# Altium PCB DIO_MCX.PCBDOC (part 1 of 3) (continued)
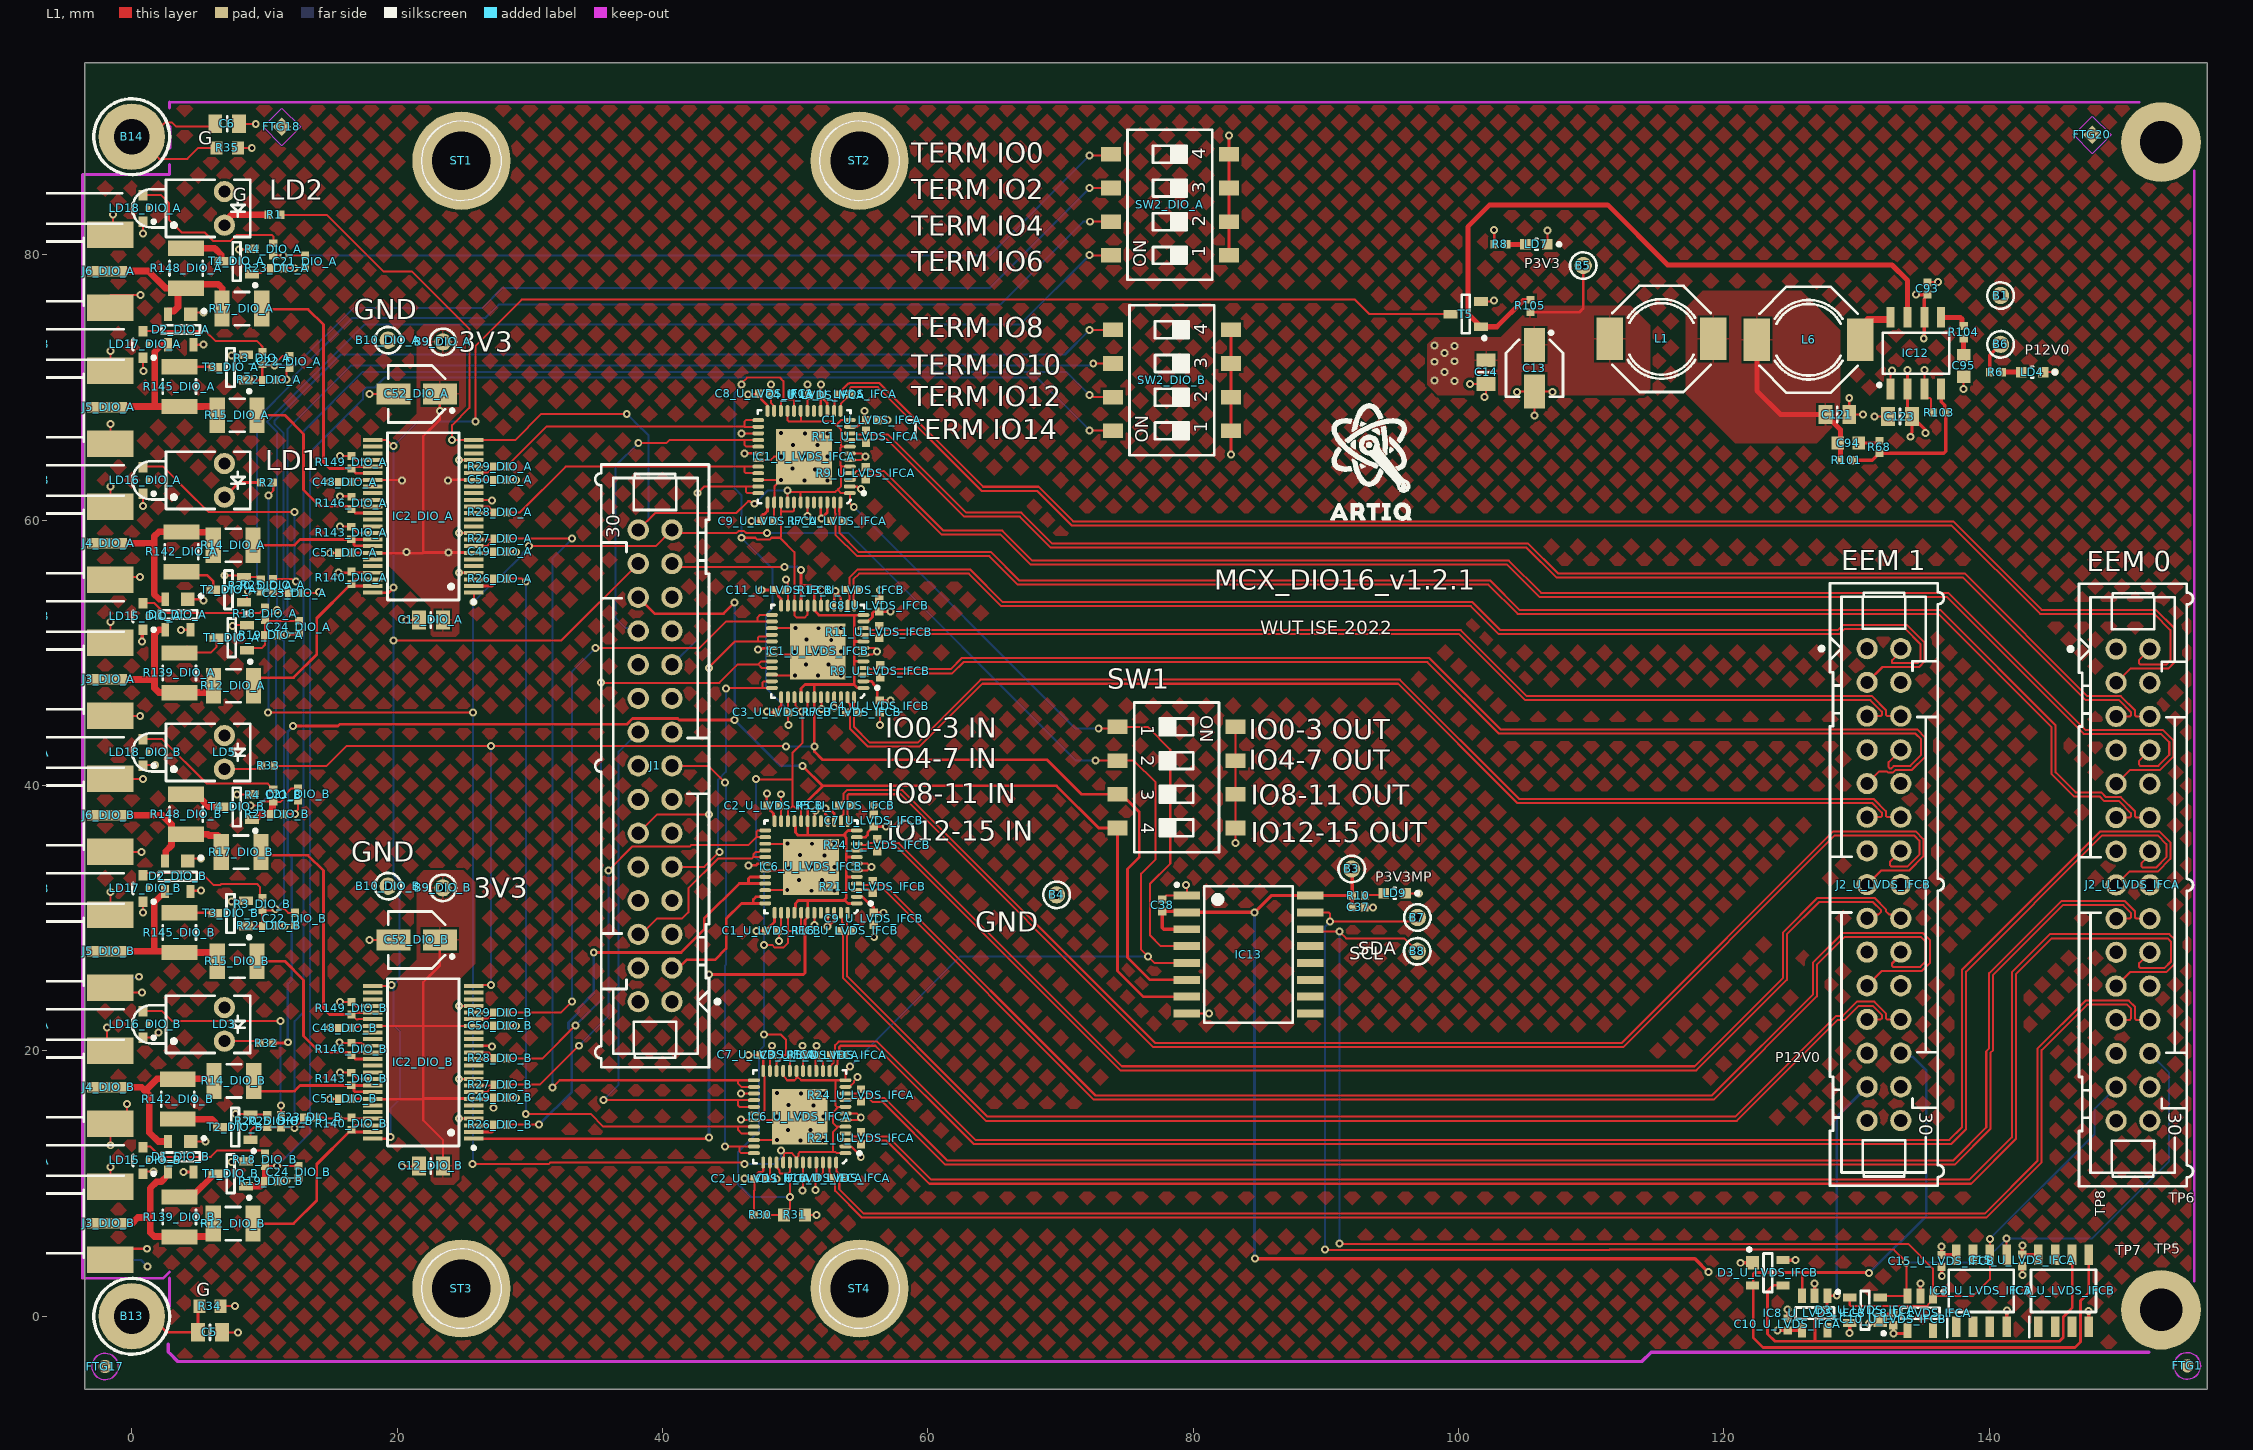
[diagram p0: L1 view]
## Design rules (kind name [scope] priority, off if disabled: settings) (continued)
MatchedLengths "DDS RESET" [InxSignalClass('DDS_RESET')] p12: tolerance=5 checknetsindiffpair=FALSE checkdiffpairvsdiffpair=TRUE checkxsignals=TRUE checkothers=TRUE
MatchedLengths "CLK IC13" [InxSignalClass('CLK IC13')] p13: tolerance=5 checknetsindiffpair=FALSE checkdiffpairvsdiffpair=TRUE checkxsignals=TRUE checkothers=TRUE
MinimumAnnularRing MinimumAnnularRing_Blind [(InNetClass('50_Ohms') OR InDifferentialPairClass('All Differential Pairs'))] p1: minimumring=0.1
MinimumAnnularRing [All] p2: minimumring=0.1
MinimumSolderMaskSliver [All] p1: minsoldermaskwidth=0.05
PlaneClearance [All] p1: clearance=0.25
PlaneConnect PlaneConnect_pad [InPadClass('All Pads')] p1: planeconnectstyle=Relief reliefexpansion=0.508 reliefentries=4 reliefconductorwidth=0.254 reliefairgap=0.254
PlaneConnect [All] p2: planeconnectstyle=Direct reliefexpansion=0.508 reliefentries=4 reliefconductorwidth=0.254 reliefairgap=0.254
PolygonConnect PolygonConnect_pad [IsPad] p1: connectstyle=Relief reliefconductorwidth=0.15 reliefentries=4 polygonreliefangle="90 Angle" airgapwidth=0.152
PolygonConnect [All] p2: connectstyle=Direct reliefconductorwidth=0.254 reliefentries=4 polygonreliefangle="90 Angle" airgapwidth=0.254
RoomDefinition DIO_B [InComponentClass('DIO_B')] p1: confinementstyle=ConfineIn formatcopy=TRUE lockcomponents=FALSE outline -11.606,3.306 37.79,3.306 37.79,45.262 -11.606,45.262
RoomDefinition DIO_A [InComponentClass('DIO_A')] p2: confinementstyle=ConfineIn formatcopy=TRUE lockcomponents=FALSE outline -11.606,44.456 37.79,44.456 37.79,86.412 -11.606,86.412
RoomDefinition U_DIO-MCX_Supply [InComponentClass('U_DIO-MCX_Supply')] p3: confinementstyle=ConfineIn formatcopy=TRUE lockcomponents=FALSE outline 157.579,36.77 167.794,36.77 167.794,45.27 157.579,45.27
RoomDefinition U_LVDS_IFCB [InComponentClass('U_LVDS_IFCB')] p4: confinementstyle=ConfineIn formatcopy=TRUE lockcomponents=FALSE outline 138.194,5.388 118.744,5.388 118.744,58.888 138.194,58.888
RoomDefinition U_LVDS_IFCA [InComponentClass('U_LVDS_IFCA')] p5: confinementstyle=ConfineIn formatcopy=TRUE lockcomponents=FALSE outline 140.619,6.113 157.169,6.113 157.169,59.138 140.619,59.138
RoomDefinition DIO_MCX [InComponentClass('DIO_MCX')] p6: confinementstyle=ConfineIn formatcopy=TRUE lockcomponents=FALSE outline 88.094,66.913 102.144,66.913 102.144,18.238 88.094,18.238
RoutingVias "Schematic Routing Via Style_1" [InNet('NetC94_2')] p1: holewidth=0.5 width=0.7 viastyle="Through Hole" minholewidth=0.5 minwidth=0.7 maxholewidth=0.711 maxwidth=1.27
RoutingVias [All] p2: holewidth=0.3 width=0.6 viastyle="Through Hole" minholewidth=0.3 minwidth=0.6 maxholewidth=0.6 maxwidth=1
SMDNeckDown [All] p1: percent=100.000
SMDToCorner [All] p1: distance=78740
SMDToPlane [All] p1: distance=0
SilkToSilkClearance [All] p1: silktosilkclearance=0
SilkToSolderMaskClearance SilkscreenOverComponentPads [IsPad] p1: minsilkscreentomaskgap=0 clearancetoexposedcopper=TRUE
SolderMaskExpansion SolderMaskExpansion_VIA [IsVia] p1: expansion=0.102 istentingtop=TRUE
SolderMaskExpansion SolderMaskExpansion_GND_VIA [IsVia AND InNet('GND')] p2: expansion=-0.1 istentingtop=FALSE
SolderMaskExpansion [All] p3: expansion=0.05 istentingtop=FALSE
Width "Schematic Width Constraint_1" [InNet('NetC94_2')] p1: maxlimit=1.27 minlimit=0.381 preferedwidth=0.508
Width CLK_DiffPairs_Width [(InDifferentialPairClass('All Differential Pairs'))] p2: maxlimit=0.152 minlimit=0.152 preferedwidth=0.152 minimp=50.000000 maximp=50.000000 favimp=50.000000 checkconnectedcopper=TRUE
Width Width-SE [All] p3: maxlimit=0.5 minlimit=0.152 preferedwidth=0.152 minimp=49.000000 maximp=51.000000 favimp=50.000000
18 further rules are at their usual default settings.

## Classes and differential pairs
net class Z100R: LVDS0_U_LVDS_IFCA_N LVDS0_U_LVDS_IFCA_P LVDS0_U_LVDS_IFCB_N LVDS0_U_LVDS_IFCB_P LVDS1_U_LVDS_IFCA_N LVDS1_U_LVDS_IFCA_P LVDS1_U_LVDS_IFCB_N LVDS1_U_LVDS_IFCB_P LVDS2_U_LVDS_IFCA_N LVDS2_U_LVDS_IFCA_P LVDS2_U_LVDS_IFCB_N LVDS2_U_LVDS_IFCB_P LVDS3_U_LVDS_IFCA_N LVDS3_U_LVDS_IFCA_P LVDS3_U_LVDS_IFCB_N LVDS3_U_LVDS_IFCB_P LVDS4_U_LVDS_IFCA_N LVDS4_U_LVDS_IFCA_P LVDS4_U_LVDS_IFCB_N LVDS4_U_LVDS_IFCB_P LVDS5_U_LVDS_IFCA_N LVDS5_U_LVDS_IFCA_P LVDS5_U_LVDS_IFCB_N LVDS5_U_LVDS_IFCB_P LVDS6_U_LVDS_IFCA_N LVDS6_U_LVDS_IFCA_P LVDS6_U_LVDS_IFCB_N LVDS6_U_LVDS_IFCB_P LVDS7_U_LVDS_IFCA_N LVDS7_U_LVDS_IFCA_P LVDS7_U_LVDS_IFCB_N LVDS7_U_LVDS_IFCB_P
net class Hpower: NetC94_2
channel class MCX_Buffer: DIO_A DIO_B
component class DIO_B: B9_DIO_B B10_DIO_B C12_DIO_B C21_DIO_B C22_DIO_B C23_DIO_B C24_DIO_B C48_DIO_B C49_DIO_B C50_DIO_B C51_DIO_B C52_DIO_B D1_DIO_B D2_DIO_B IC2_DIO_B J3_DIO_B J4_DIO_B J5_DIO_B J6_DIO_B LD15_DIO_B LD16_DIO_B LD17_DIO_B LD18_DIO_B LP3_DIO_B LP4_DIO_B LP5_DIO_B LP6_DIO_B R3_DIO_B R4_DIO_B R12_DIO_B R14_DIO_B R15_DIO_B R17_DIO_B R18_DIO_B R19_DIO_B R20_DIO_B R22_DIO_B R23_DIO_B R25_DIO_B R26_DIO_B R27_DIO_B R28_DIO_B R29_DIO_B R139_DIO_B R140_DIO_B R142_DIO_B R143_DIO_B R145_DIO_B R146_DIO_B R148_DIO_B R149_DIO_B SW2_DIO_B T1_DIO_B T2_DIO_B T3_DIO_B T4_DIO_B
component class DIO_MCX: B7 B8 B13 B14 C5 C6 C37 C38 IC13 J1 LD1 LD2 LD3 LD5 LP1 LP2 LP7 LP8 R1 R2 R30 R31 R32 R33 R34 R35 ST1 ST2 ST3 ST4 SW1 T5
channel class LVDS_IFC_MCX: U_LVDS_IFCA U_LVDS_IFCB
component class DIO_A: B9_DIO_A B10_DIO_A C12_DIO_A C21_DIO_A C22_DIO_A C23_DIO_A C24_DIO_A C48_DIO_A C49_DIO_A C50_DIO_A C51_DIO_A C52_DIO_A D1_DIO_A D2_DIO_A IC2_DIO_A J3_DIO_A J4_DIO_A J5_DIO_A J6_DIO_A LD15_DIO_A LD16_DIO_A LD17_DIO_A LD18_DIO_A LP3_DIO_A LP4_DIO_A LP5_DIO_A LP6_DIO_A R3_DIO_A R4_DIO_A R12_DIO_A R14_DIO_A R15_DIO_A R17_DIO_A R18_DIO_A R19_DIO_A R20_DIO_A R22_DIO_A R23_DIO_A R25_DIO_A R26_DIO_A R27_DIO_A R28_DIO_A R29_DIO_A R139_DIO_A R140_DIO_A R142_DIO_A R143_DIO_A R145_DIO_A R146_DIO_A R148_DIO_A R149_DIO_A SW2_DIO_A T1_DIO_A T2_DIO_A T3_DIO_A T4_DIO_A
component class U_LVDS_IFCA: C1_U_LVDS_IFCA C2_U_LVDS_IFCA C3_U_LVDS_IFCA C4_U_LVDS_IFCA C7_U_LVDS_IFCA C8_U_LVDS_IFCA C9_U_LVDS_IFCA C10_U_LVDS_IFCA C11_U_LVDS_IFCA C15_U_LVDS_IFCA D3_U_LVDS_IFCA IC1_U_LVDS_IFCA IC3_U_LVDS_IFCA IC6_U_LVDS_IFCA IC8_U_LVDS_IFCA J2_U_LVDS_IFCA R5_U_LVDS_IFCA R7_U_LVDS_IFCA R9_U_LVDS_IFCA R11_U_LVDS_IFCA R13_U_LVDS_IFCA R16_U_LVDS_IFCA R21_U_LVDS_IFCA R24_U_LVDS_IFCA
component class U_DIO-MCX_Supply: B1 B3 B4 B5 B6 C13 C14 C93 C94 C95 C121 C123 FTG1 FTG2 FTG17 FTG18 FTG19 FTG20 IC12 L1 L6 LD4 LD7 LD9 R6 R8 R10 R68 R101 R103 R104 R105
component class U_LVDS_IFCB: C1_U_LVDS_IFCB C2_U_LVDS_IFCB C3_U_LVDS_IFCB C4_U_LVDS_IFCB C7_U_LVDS_IFCB C8_U_LVDS_IFCB C9_U_LVDS_IFCB C10_U_LVDS_IFCB C11_U_LVDS_IFCB C15_U_LVDS_IFCB D3_U_LVDS_IFCB IC1_U_LVDS_IFCB IC3_U_LVDS_IFCB IC6_U_LVDS_IFCB IC8_U_LVDS_IFCB J2_U_LVDS_IFCB R5_U_LVDS_IFCB R7_U_LVDS_IFCB R9_U_LVDS_IFCB R11_U_LVDS_IFCB R13_U_LVDS_IFCB R16_U_LVDS_IFCB R21_U_LVDS_IFCB R24_U_LVDS_IFCB
differential pair LVDS7_U_LVDS_IFCB: +LVDS7_U_LVDS_IFCB_P -LVDS7_U_LVDS_IFCB_N
differential pair LVDS7_U_LVDS_IFCA: +LVDS7_U_LVDS_IFCA_P -LVDS7_U_LVDS_IFCA_N
differential pair LVDS6_U_LVDS_IFCB: +LVDS6_U_LVDS_IFCB_P -LVDS6_U_LVDS_IFCB_N
differential pair LVDS6_U_LVDS_IFCA: +LVDS6_U_LVDS_IFCA_P -LVDS6_U_LVDS_IFCA_N
differential pair LVDS5_U_LVDS_IFCB: +LVDS5_U_LVDS_IFCB_P -LVDS5_U_LVDS_IFCB_N
differential pair LVDS5_U_LVDS_IFCA: +LVDS5_U_LVDS_IFCA_P -LVDS5_U_LVDS_IFCA_N
differential pair LVDS4_U_LVDS_IFCB: +LVDS4_U_LVDS_IFCB_P -LVDS4_U_LVDS_IFCB_N
differential pair LVDS4_U_LVDS_IFCA: +LVDS4_U_LVDS_IFCA_P -LVDS4_U_LVDS_IFCA_N
differential pair LVDS3_U_LVDS_IFCB: +LVDS3_U_LVDS_IFCB_P -LVDS3_U_LVDS_IFCB_N
differential pair LVDS3_U_LVDS_IFCA: +LVDS3_U_LVDS_IFCA_P -LVDS3_U_LVDS_IFCA_N
differential pair LVDS2_U_LVDS_IFCB: +LVDS2_U_LVDS_IFCB_P -LVDS2_U_LVDS_IFCB_N
differential pair LVDS2_U_LVDS_IFCA: +LVDS2_U_LVDS_IFCA_P -LVDS2_U_LVDS_IFCA_N
differential pair LVDS1_U_LVDS_IFCB: +LVDS1_U_LVDS_IFCB_P -LVDS1_U_LVDS_IFCB_N
differential pair LVDS1_U_LVDS_IFCA: +LVDS1_U_LVDS_IFCA_P -LVDS1_U_LVDS_IFCA_N
differential pair LVDS0_U_LVDS_IFCB: +LVDS0_U_LVDS_IFCB_P -LVDS0_U_LVDS_IFCB_N
differential pair LVDS0_U_LVDS_IFCA: +LVDS0_U_LVDS_IFCA_P -LVDS0_U_LVDS_IFCA_N

## Components (designator, comment, footprint, x,y, rotation, side; value= is the part's Value field where it differs from the comment)
B1 "Plated Hole" c130h60 140.851,76.928 r270 top
B3 "Plated Hole" c130h60 91.944,33.713 r180 top
B4 "Plated Hole" c130h60 69.704,31.762 r180 top
B5 "Plated Hole" c130h60 109.394,79.188 r180 top
B6 "Plated Hole" c130h60 140.851,73.253 r180 top
B7 "Plated Hole" c130h60 96.894,30.053 r180 top
B8 "Plated Hole" c130h60 96.888,27.508 r180 top
B9_DIO_A "Plated Hole" c130h60 23.444,73.439 r270 top (schematic designator B9)
B9_DIO_B "Plated Hole" c130h60 23.444,32.289 r270 top (schematic designator B9)
B10_DIO_A "Plated Hole" c130h60 19.319,73.563 r270 top (schematic designator B10)
B10_DIO_B "Plated Hole" c130h60 19.319,32.413 r270 top (schematic designator B10)
B13 "Plated Hole" MTG270_500 0,0 r180 top locked
B14 "Plated Hole" MTG270_500 0,88.9 r180 top locked
C1_U_LVDS_IFCA "100nF" CAPC1005X55N 55.779,67.538 r180 top (schematic designator C1)
C1_U_LVDS_IFCB "100nF" CAPC1005X55N 48.244,29.038 r180 top (schematic designator C1)
C2_U_LVDS_IFCA "100nF" CAPC1005X55N 47.394,10.352 r180 top (schematic designator C2)
C2_U_LVDS_IFCB "100nF" CAPC1005X55N 48.369,38.488 r180 top (schematic designator C2)
C3_U_LVDS_IFCA "100nF" CAPC1005X55N 51.094,19.688 r0 top (schematic designator C3)
C3_U_LVDS_IFCB "100nF" CAPC1005X55N 49.044,45.513 r180 top (schematic designator C3)
C4_U_LVDS_IFCA "100nF" CAPC1005X55N 51.519,69.418 r0 top (schematic designator C4)
C4_U_LVDS_IFCB "100nF" CAPC1005X55N 56.379,45.963 r90 top (schematic designator C4)
C5 "Undefined" CAPC2012X135N 5.894,-1.212 r0 top
C6 "Undefined" CAPC2012X135N 7.194,89.876 r0 top
C7_U_LVDS_IFCA "100nF" CAPC1005X55N 47.844,19.699 r180 top (schematic designator C7)
C7_U_LVDS_IFCB "100nF" CAPC1005X55N 55.919,37.363 r270 top (schematic designator C7)
C8_U_LVDS_IFCA "100nF" CAPC1005X55N 47.719,69.53 r180 top (schematic designator C8)
C8_U_LVDS_IFCB "100nF" CAPC1005X55N 56.344,53.558 r270 top (schematic designator C8)
C9_U_LVDS_IFCA "100nF" CAPC1005X55N 47.919,59.937 r180 top (schematic designator C9)
C9_U_LVDS_IFCB "100nF" CAPC1005X55N 55.919,29.963 r90 top (schematic designator C9)
C10_U_LVDS_IFCA "100nF" CAPC1005X55N 124.807,-0.613 r270 top (schematic designator C10)
C10_U_LVDS_IFCB "100nF" CAPC1005X55N 132.766,-0.229 r270 top (schematic designator C10)
C11_U_LVDS_IFCA "100nF" CAPC1005X55N 51.094,10.413 r0 top (schematic designator C11)
C11_U_LVDS_IFCB "100nF" CAPC1005X55N 48.819,54.731 r180 top (schematic designator C11)
C12_DIO_A "22uF" CAPC2012X135N 22.544,52.478 r0 top (schematic designator C12)
C12_DIO_B "22uF" CAPC2012X135N 22.544,11.328 r0 top (schematic designator C12)
C13 "10uF" CAPAE430X540N 105.719,71.453 r270 top
C14 "22uF" CAPC2012X135N 102.069,71.153 r90 top
C15_U_LVDS_IFCA "100nF" CAPC1005X55N 142.491,4.215 r90 top (schematic designator C15)
C15_U_LVDS_IFCB "100nF" CAPC1005X55N 136.402,4.163 r90 top (schematic designator C15)
C21_DIO_A "100nF" CAPC1005X55N 13.066,79.488 r90 top (schematic designator C21)
C21_DIO_B "100nF" CAPC1005X55N 12.536,39.328 r90 top (schematic designator C21)
C22_DIO_A "100nF" CAPC1005X55N 11.879,71.93 r90 top (schematic designator C22)
C22_DIO_B "100nF" CAPC1005X55N 12.296,29.96 r90 top (schematic designator C22)
C23_DIO_A "100nF" CAPC1005X55N 12.296,54.502 r180 top (schematic designator C23)
C23_DIO_B "100nF" CAPC1005X55N 13.444,14.987 r180 top (schematic designator C23)
C24_DIO_A "100nF" CAPC1005X55N 12.594,51.946 r90 top (schematic designator C24)
C24_DIO_B "100nF" CAPC1005X55N 12.575,10.867 r90 top (schematic designator C24)
C37 "100nF" CAPC1005X55N 92.456,30.818 r180 top
C38 "100nF" CAPC1005X55N 77.669,30.963 r270 top
C48_DIO_A "100nF" CAPC1005X55N 16.094,62.869 r0 top (schematic designator C48)
C48_DIO_B "100nF" CAPC1005X55N 16.094,21.719 r0 top (schematic designator C48)
C49_DIO_A "100nF" CAPC1005X55N 27.769,57.614 r180 top (schematic designator C49)
C49_DIO_B "100nF" CAPC1005X55N 27.769,16.464 r180 top (schematic designator C49)
C50_DIO_A "100nF" CAPC1005X55N 27.769,63.038 r180 top (schematic designator C50)
C50_DIO_B "100nF" CAPC1005X55N 27.769,21.888 r180 top (schematic designator C50)
C51_DIO_A "100nF" CAPC1005X55N 16.084,57.538 r0 top (schematic designator C51)
C51_DIO_B "100nF" CAPC1005X55N 16.084,16.388 r0 top (schematic designator C51)
C52_DIO_A "10uF" CAPAE430X540N 21.469,69.511 r180 top (schematic designator C52)
C52_DIO_B "10uF" CAPAE430X540N 21.469,28.361 r180 top (schematic designator C52)
C93 "100nF" CAPC1005X55N 135.334,77.453 r270 top
C94 "150pF" CAPC1608X87N 129.369,65.813 r180 top
C95 "3.9nF" CAPC1608X87N 138.069,71.623 r90 top
C121 "22uF" CAPC2012X135N 128.544,67.963 r180 top
C123 "22uF" CAPC2012X135N 133.269,67.813 r0 top
D1_DIO_A "PRTR5V0U2X" SOT190P230X110-4N 3.472,52.89 r270 top (schematic designator D1)
D1_DIO_B "PRTR5V0U2X" SOT190P230X110-4N 3.694,12.017 r270 top (schematic designator D1)
D2_DIO_A "PRTR5V0U2X" SOT190P230X110-4N 3.694,74.367 r270 top (schematic designator D2)
D2_DIO_B "PRTR5V0U2X" SOT190P230X110-4N 3.46,33.163 r270 top (schematic designator D2)
D3_U_LVDS_IFCA "PRTR5V0U2X" SOT190P230X110-4N 130.632,0.457 r180 top (schematic designator D3)
D3_U_LVDS_IFCB "PRTR5V0U2X" SOT190P230X110-4N 123.306,3.282 r0 top (schematic designator D3)
FTG1 "Use only in PCB" FIDUCIAL_TOP_C100-200 154.919,-3.737 r90 top
FTG2 "Use only in PCB" FIDUCIAL_TOP_C100-200 149.534,-4 r90 bottom
FTG17 "Use only in PCB" FIDUCIAL_TOP_C100-200 -2.006,-3.787 r270 top
FTG18 "Use only in PCB" FIDUCIAL_TOP_S100-200 11.316,89.644 r270 top
FTG19 "Use only in PCB" FIDUCIAL_TOP_S100-200 6,89.637 r90 bottom
FTG20 "Use only in PCB" FIDUCIAL_TOP_S100-200 147.769,89.038 r270 top
IC1_U_LVDS_IFCA "SN65MLVD040RGZT" QFN50P700X700X100-49N-S420 50.669,64.788 r180 top (schematic designator IC1)
IC1_U_LVDS_IFCB "SN65MLVD040RGZT" QFN50P700X700X100-49N-S420 51.694,50.108 r180 top (schematic designator IC1)
IC2_DIO_A "74LVT162245MTD" SOP50P810X120-48N 21.969,60.288 r180 top (schematic designator IC2)
IC2_DIO_B "74LVT162245MTD" SOP50P810X120-48N 21.969,19.138 r180 top (schematic designator IC2)
IC3_U_LVDS_IFCA "24AA02E48-I/SN" SOIC127 139.402,1.917 r90 top (schematic designator IC3)
IC3_U_LVDS_IFCB "24AA02E48-I/SN" SOIC127 145.595,1.917 r90 top (schematic designator IC3)
IC6_U_LVDS_IFCA "SN65MLVD040RGZT" QFN50P700X700X100-49N-S420 50.344,15.038 r180 top (schematic designator IC6)
IC6_U_LVDS_IFCB "SN65MLVD040RGZT" QFN50P700X700X100-49N-S420 51.194,33.863 r180 top (schematic designator IC6)
IC8_U_LVDS_IFCA "24AA02E48T-I/OT" SOT95P280X145-5N 134.798,0.229 r270 top (schematic designator IC8)
IC8_U_LVDS_IFCB "24AA02E48T-I/OT" SOT95P280X145-5N 126.84,0.235 r270 top (schematic designator IC8)
IC12 "NCP3170ADR2G" SOIC127P600X175-8N 134.469,72.588 r90 top
IC13 "PCF8574ADW" SOIC127P1030X265-16N 84.169,27.263 r0 top
J1 "" 3M_N2530-6002RB 39.444,41.488 r90 top locked
J2_U_LVDS_IFCA "" 3M_N2530-6002RB 150.828,32.507 r270 top locked (schematic designator J2)
J2_U_LVDS_IFCB "" 3M_N2530-6002RB 132.058,32.532 r270 top locked (schematic designator J2)
J3_DIO_A "MCX" Belfuse_133-3701-801 0.644,48 r180 top locked (schematic designator J3)
J3_DIO_B "MCX" Belfuse_133-3701-801 0.644,7 r180 top locked (schematic designator J3)
J4_DIO_A "MCX" Belfuse_133-3701-801 0.644,58.25 r180 top locked (schematic designator J4)
J4_DIO_B "MCX" Belfuse_133-3701-801 0.644,17.25 r180 top locked (schematic designator J4)
J5_DIO_A "MCX" Belfuse_133-3701-801 0.644,68.5 r180 top locked (schematic designator J5)
J5_DIO_B "MCX" Belfuse_133-3701-801 0.644,27.5 r180 top locked (schematic designator J5)
J6_DIO_A "MCX" Belfuse_133-3701-801 0.644,78.75 r180 top locked (schematic designator J6)
J6_DIO_B "MCX" Belfuse_133-3701-801 0.644,37.75 r180 top locked (schematic designator J6)
L1 "4.7uH" IND_BOURNS_SRU8043 115.294,73.663 r180 top
L6 "4.7uH" IND_BOURNS_SRU8043 126.382,73.597 r180 top
LD1 "Green" LED_DIALIGHT_551-1307F 6.984,63 r0 top locked
LD2 "Green" LED_DIALIGHT_551-1307F 6.984,83.5 r0 top locked
LD3 "Green" LED_DIALIGHT_551-1307F 6.984,22 r0 top locked
LD4 "Green" LED_KINGBRIGHT_KPH-1608CGCK 143.244,71.153 r180 top
LD5 "Green" LED_DIALIGHT_551-1307F 6.984,42.5 r0 top locked
LD7 "Green" LED_KINGBRIGHT_KPH-1608CGCK 105.869,80.788 r180 top
LD9 "Green" LED_KINGBRIGHT_KPH-1608CGCK 95.194,31.873 r180 top
LD15_DIO_A "Green" LED_AVAGO_HSME-C120 0.844,52.75 r90 top locked (schematic designator LD15)
LD15_DIO_B "Green" LED_AVAGO_HSME-C120 0.844,11.75 r90 top locked (schematic designator LD15)
LD16_DIO_A "Green" LED_AVAGO_HSME-C120 0.844,63 r90 top locked (schematic designator LD16)
LD16_DIO_B "Green" LED_AVAGO_HSME-C120 0.844,22 r90 top locked (schematic designator LD16)
LD17_DIO_A "Green" LED_AVAGO_HSME-C120 0.844,73.25 r90 top locked (schematic designator LD17)
LD17_DIO_B "Green" LED_AVAGO_HSME-C120 0.844,32.25 r90 top locked (schematic designator LD17)
LD18_DIO_A "Green" LED_AVAGO_HSME-C120 0.844,83.5 r90 top locked (schematic designator LD18)
LD18_DIO_B "Green" LED_AVAGO_HSME-C120 0.844,42.5 r90 top locked (schematic designator LD18)
LP1 "" FIX&FASTEN-LEMB2-8V0-F -8.706,83.5 r0 top
LP2 "" FIX&FASTEN-LEMB2-8V0-F -8.706,83.5 r0 top
LP3_DIO_A "" FIX&FASTEN-LEMB2-8V0-F -8.606,42.488 r0 top (schematic designator LP3)
LP3_DIO_B "" FIX&FASTEN-LEMB2-8V0-F -8.606,52.75 r0 top (schematic designator LP3)
LP4_DIO_A "" FIX&FASTEN-LEMB2-8V0-F -8.606,21.988 r0 top (schematic designator LP4)
LP4_DIO_B "" FIX&FASTEN-LEMB2-8V0-F -8.606,32.238 r0 top (schematic designator LP4)
LP5_DIO_A "" FIX&FASTEN-LEMB2-8V0-F -8.606,11.738 r0 top (schematic designator LP5)
LP5_DIO_B "" FIX&FASTEN-LEMB2-8V0-F -8.606,63 r0 top (schematic designator LP5)
LP6_DIO_A "" FIX&FASTEN-LEMB2-8V0-F -8.606,42.488 r0 top (schematic designator LP6)
LP6_DIO_B "" FIX&FASTEN-LEMB2-8V0-F -8.606,73.25 r0 top (schematic designator LP6)
LP7 "" FIX&FASTEN-LEMB2-8V0-F -8.606,21.988 r0 top
LP8 "" FIX&FASTEN-LEMB2-8V0-F -8.606,63 r0 top
R1 "1k" RESC1005X40N 10.758,83.012 r0 top
R2 "1k" RESC1005X40N 10.194,62.838 r0 top
R3_DIO_A "1k" RESC1005X40N 9.844,72.219 r90 top (schematic designator R3)
R3_DIO_B "1k" RESC1005X40N 9.844,31.069 r90 top (schematic designator R3)
R4_DIO_A "1k" RESC1005X40N 10.668,80.408 r90 top (schematic designator R4)
R4_DIO_B "1k" RESC1005X40N 10.668,39.258 r90 top (schematic designator R4)
R5_U_LVDS_IFCA "100" RESC1005X40N 53.169,19.688 r180 top (schematic designator R5)
R5_U_LVDS_IFCB "100" RESC1005X40N 53.779,38.488 r180 top (schematic designator R5)
R6 "10k" RESC1005X40N 140.501,71.153 r180 top
R7_U_LVDS_IFCA "100" RESC1005X40N 53.188,59.937 r0 top (schematic designator R7)
R7_U_LVDS_IFCB "100" RESC1005X40N 54.279,45.513 r0 top (schematic designator R7)
R8 "1k" RESC1005X40N 103.156,80.788 r0 top
R9_U_LVDS_IFCA "100" RESC1005X40N 55.319,63.538 r90 top (schematic designator R9)
R9_U_LVDS_IFCB "100" RESC1005X40N 56.419,48.613 r90 top (schematic designator R9)
R10 "1k" RESC1005X40N 92.453,31.696 r0 top
R11_U_LVDS_IFCA "100" RESC1005X40N 55.329,66.287 r90 top (schematic designator R11)
R11_U_LVDS_IFCB "100" RESC1005X40N 56.344,51.563 r90 top (schematic designator R11)
R12_DIO_A "30R" RESC3225X70N 7.667,47.521 r0 top (schematic designator R12)
R12_DIO_B "30R" RESC3225X70N 7.644,6.981 r0 top (schematic designator R12)
R13_U_LVDS_IFCA "100" RESC1005X40N 53.658,69.48 r180 top (schematic designator R13)
R13_U_LVDS_IFCB "100" RESC1005X40N 54.239,54.731 r180 top (schematic designator R13)
R14_DIO_A "30R" RESC3225X70N 7.644,58.114 r0 top (schematic designator R14)
R14_DIO_B "30R" RESC3225X70N 7.697,17.738 r0 top (schematic designator R14)
R15_DIO_A "30R" RESC3225X70N 7.944,67.911 r0 top (schematic designator R15)
R15_DIO_B "30R" RESC3225X70N 7.944,26.761 r0 top (schematic designator R15)
R16_U_LVDS_IFCA "100" RESC1005X40N 53.169,10.413 r0 top (schematic designator R16)
R16_U_LVDS_IFCB "100" RESC1005X40N 53.769,29.038 r0 top (schematic designator R16)
R17_DIO_A "30R" RESC3225X70N 8.306,75.946 r0 top (schematic designator R17)
R17_DIO_B "30R" RESC3225X70N 8.236,34.988 r0 top (schematic designator R17)
R18_DIO_A "1k" RESC1005X40N 10.044,52.948 r90 top (schematic designator R18)
R18_DIO_B "1k" RESC1005X40N 10.044,11.798 r90 top (schematic designator R18)
R19_DIO_A "10k" RESC1005X40N 10.519,51.329 r180 top (schematic designator R19)
R19_DIO_B "10k" RESC1005X40N 10.519,10.179 r180 top (schematic designator R19)
R20_DIO_A "10k" RESC1005X40N 9.724,55.068 r270 top (schematic designator R20)
R20_DIO_B "10k" RESC1005X40N 10.208,14.705 r270 top (schematic designator R20)
R21_U_LVDS_IFCA "100" RESC1005X40N 54.969,13.413 r90 top (schematic designator R21)
R21_U_LVDS_IFCB "100" RESC1005X40N 55.844,32.363 r90 top (schematic designator R21)
R22_DIO_A "10k" RESC1005X40N 10.344,70.567 r180 top (schematic designator R22)
R22_DIO_B "10k" RESC1005X40N 10.344,29.417 r180 top (schematic designator R22)
R23_DIO_A "10k" RESC1005X40N 10.969,78.988 r180 top (schematic designator R23)
R23_DIO_B "10k" RESC1005X40N 10.969,37.838 r180 top (schematic designator R23)
R24_U_LVDS_IFCA "100" RESC1005X40N 54.969,16.639 r90 top (schematic designator R24)
R24_U_LVDS_IFCB "100" RESC1005X40N 56.194,35.5 r90 top (schematic designator R24)
R25_DIO_A "1k" RESC1005X40N 10.655,55.098 r90 top (schematic designator R25)
R25_DIO_B "1k" RESC1005X40N 11.254,14.698 r90 top (schematic designator R25)
R26_DIO_A "22" RESC1005X40N 27.769,55.588 r0 top (schematic designator R26)
R26_DIO_B "22" RESC1005X40N 27.769,14.438 r0 top (schematic designator R26)
R27_DIO_A "22" RESC1005X40N 27.789,58.604 r0 top (schematic designator R27)
R27_DIO_B "22" RESC1005X40N 27.789,17.454 r0 top (schematic designator R27)
R28_DIO_A "22" RESC1005X40N 27.789,60.588 r0 top (schematic designator R28)
R28_DIO_B "22" RESC1005X40N 27.789,19.438 r0 top (schematic designator R28)
R29_DIO_A "22" RESC1005X40N 27.769,64.038 r0 top (schematic designator R29)
R29_DIO_B "22" RESC1005X40N 27.769,22.888 r0 top (schematic designator R29)
R30 "10k" RESC1005X40N 47.365,7.638 r180 top
R31 "0" RESC1608X55N 49.954,7.638 r0 top
R32 "1k" RESC1005X40N 10.132,20.594 r0 top
R33 "1k" RESC1005X40N 10.274,41.488 r0 top
R34 "0" RESC1608X55N 5.894,0.757 r180 top
R35 "0" RESC1608X55N 7.194,88.056 r180 top
R68 "1k" RESC1005X40N 131.714,65.513 r90 top
R101 "27k" RESC1005X40N 129.244,64.513 r180 top
R103 "8k2" RESC1005X40N 136.244,68.113 r180 top
R104 "10k" RESC1005X40N 138.069,74.163 r90 top
R105 "10k" RESC1005X40N 105.419,76.151 r270 top
R139_DIO_A "49R9" RESC3225X70N 3.594,48.488 r270 top (schematic designator R139)
R139_DIO_B "49R9" RESC3225X70N 3.594,7.481 r270 top (schematic designator R139)
R140_DIO_A "10k" RESC1005X40N 16.554,55.667 r270 top (schematic designator R140)
R140_DIO_B "10k" RESC1005X40N 16.554,14.517 r270 top (schematic designator R140)
R142_DIO_A "49R9" RESC3225X70N 3.749,57.614 r90 top (schematic designator R142)
R142_DIO_B "49R9" RESC3225X70N 3.46,16.36 r90 top (schematic designator R142)
R143_DIO_A "10k" RESC1005X40N 16.544,59.038 r270 top (schematic designator R143)
R143_DIO_B "10k" RESC1005X40N 16.544,17.888 r270 top (schematic designator R143)
R145_DIO_A "49R9" RESC3225X70N 3.594,70.069 r270 top (schematic designator R145)
R145_DIO_B "49R9" RESC3225X70N 3.594,28.919 r270 top (schematic designator R145)
R146_DIO_A "10k" RESC1005X40N 16.554,61.288 r270 top (schematic designator R146)
R146_DIO_B "10k" RESC1005X40N 16.554,20.138 r270 top (schematic designator R146)
R148_DIO_A "49R9" RESC3225X70N 4.094,78.988 r270 top (schematic designator R148)
R148_DIO_B "49R9" RESC3225X70N 4.094,37.838 r270 top (schematic designator R148)
R149_DIO_A "10k" RESC1005X40N 16.554,64.363 r270 top (schematic designator R149)
R149_DIO_B "10k" RESC1005X40N 16.554,23.213 r270 top (schematic designator R149)
ST1 "M3 x 11mm" 9774110360 24.844,87.088 r0 top
ST2 "M3 x 11mm" 9774110360 54.844,87.088 r0 top
ST3 "M3 x 11mm" 9774110360 24.844,2.088 r0 top
ST4 "M3 x 11mm" 9774110360 54.844,2.088 r0 top
SW1 "Switch" SW_OMRON_A6S-4102-H 78.744,40.613 r0 top
SW2_DIO_A "Switch" SW_OMRON_A6S-4102-H 78.244,83.763 r180 top (schematic designator SW2)
SW2_DIO_B "Switch" SW_OMRON_A6S-4102-H 78.394,70.538 r180 top (schematic designator SW2)
T1_DIO_A "BSS138LT1G" SOT95P240X110-3N 7.527,51.138 r180 top (schematic designator T1)
T1_DIO_B "BSS138LT1G" SOT95P240X110-3N 7.447,10.742 r180 top (schematic designator T1)
T2_DIO_A "BSS138LT1G" SOT95P240X110-3N 7.294,54.757 r180 top (schematic designator T2)
T2_DIO_B "BSS138LT1G" SOT95P240X110-3N 7.786,14.251 r180 top (schematic designator T2)
T3_DIO_A "BSS138LT1G" SOT95P240X110-3N 7.444,71.517 r180 top (schematic designator T3)
T3_DIO_B "BSS138LT1G" SOT95P240X110-3N 7.444,30.367 r180 top (schematic designator T3)
T4_DIO_A "BSS138LT1G" SOT95P240X110-3N 7.899,79.502 r180 top (schematic designator T4)
T4_DIO_B "BSS138LT1G" SOT95P240X110-3N 7.917,38.388 r180 top (schematic designator T4)
T5 "BSS138LT1G" SOT95P240X110-3N 100.544,75.528 r180 top

## Footprints (in the part's own frame and the unit in brackets; to place one, negate y for a bottom-side part, rotate by r counter-clockwise, add the part's x,y. Pads: shape width x height; smd on the part's side, far side on the other; paste and mask are expansions set on the pad)
3M_N2530-6002RB [mm] "30 Contacts - Straight .100\" x .100\" Low Profile Four-Wall Header"
  round 1.6 hole 1: 1(-17.78,-1.27) 2(-17.78,1.27) 3(-15.24,-1.27) 4(-15.24,1.27) 5(-12.7,-1.27) 6(-12.7,1.27) 7(-10.16,-1.27) 8(-10.16,1.27) 9(-7.62,-1.27) 10(-7.62,1.27) 11(-5.08,-1.27) 12(-5.08,1.27) 13(-2.54,-1.27) 14(-2.54,1.27) 15(0,-1.27) 16(0,1.27) 17(2.54,-1.27) 18(2.54,1.27) 19(5.08,-1.27) 20(5.08,1.27) 21(7.62,-1.27) 22(7.62,1.27) 23(10.16,-1.27) 24(10.16,1.27) 25(12.7,-1.27) 26(12.7,1.27) 27(15.24,-1.27) 28(15.24,1.27) 29(17.78,-1.27) 30(17.78,1.27)
  silkscreen extent -22.71,-4.85 22.71,4.52, body extent -22.71,-4.11 22.71,4.52, height 9.91
9774110360 [mm] "SMT Steel Spacer with internal Thread M3, height 11mm"
  round 7.4 / inner round 0 / far side round 0 hole 4.4 unplated: 1(0,0)
  silkscreen extent -3,-3 3,3, body extent -3,-3 3,2.99, height 11
Belfuse_133-3701-801 [mm] "50 Ohm, RF Connector, MCX Right Angle PCB Receptacle Jack"
  rect 3x0.8 smd: 1(2.5,0)
  rect 3.5x2 smd: 2(2.25,2.75) 2(2.25,-2.75)
  rect 3.5x2 smd far side: 2(2.25,2.75) 2(2.25,-2.75)
  silkscreen extent 4.25,-2.54 9.5,2.6, body extent 1.08,-3.18 9.61,3.17, height 3.42
c130h60 [mm] "Plated Through Hole: Hole Dia.=0.6mm Pad Dia.=1.30mm"
  round 1.3 hole 0.6: 1(0,0)
  silkscreen extent -1,-1 1,1
CAPAE430X540N [mm] "Capacitor, Aluminium Electrolytric, 4.3mm L X 4.3mm W X 5.4mm H, IPC Medium Density"
  rect 2.55x1.6 smd: 1(-1.75,0) 2(1.75,0)
  silkscreen extent -2.8,-2.15 2.15,2.15, body extent -2.75,-2.25 2.75,2.25, height 5.7
CAPC1005X55N [mm] "Capacitor, Non-Polarized, Chip; 1.00mm L X 0.50mm W X 0.70mm H, IPC Medium Density"
  rect 0.62x0.62 smd: 1(-0.45,0) 2(0.45,0)
  body extent -0.52,-0.27 0.53,0.28, height 0.55
CAPC1608X87N [mm] "Chip Capacitor, Body 1.6x0.8mm IPC Medium Density"
  rect 0.95x1 smd: 1(-0.8,0) 2(0.8,0)
  body extent -0.87,-0.47 0.88,0.48, height 0.87
CAPC2012X135N [mm] "Chip Capacitor, Body 2.0x1.25mm, IPC Medium Density"
  rect 1.05x1.4 smd: 1(-0.9,0) 2(0.9,0)
  silkscreen extent 0,-0.58 0,0.58, body extent -1.05,-0.67 1.05,0.68, height 1.25
FIDUCIAL_TOP_C100-200 [mm] "Round Fiducial Target, Top Layer, 1.0mm, Top Solder 2.0mm, Keepout =2.0mm"
  round 1 smd paste-0.51 mask+0.5: FTG2(0,0)
  L1 keep-out circle w0.1: c0,0 r1
FIDUCIAL_TOP_S100-200 [mm] "Square Fiducial Target, Top Layer, 1.0mm, Top Solder 2.0mm, Keepout =2.0mm"
  rect 1x1 smd rot 45 paste-0.51 mask+0.5: 1(0,0)
  L1 keep-out region: 1.414,0 0,-1.414 -1.414,0 0,1.414
FIX&FASTEN-LEMB2-8V0-F [mm] "Right Angle Single Element 2.3x8mm Round Lightpipe"
  silkscreen extent 0,-1.15 8,1.15, body extent 0,-1.15 8,1.15, height 2.15
IND_BOURNS_SRU8043 [mm] "SMD Inductor Body Width 8.3mm Body Lenght 8.3mm Height 4.6mm"
  rect 2x3.2 smd: 1(-3.9,0) 2(3.9,0)
  silkscreen extent -3.71,-4 3.71,4, body extent -4,-4 4,4, height 4.3
LED_AVAGO_HSME-C120 [mm] "Green Chip LED, 2-Leads, Body 1.7x1.1mm, Side Emitting Package"
  rect 0.8x0.7 smd: 1(-1,0) 2(1,0)
  rect 0.4x0.4 smd: 3(0,-0.35)
  silkscreen extent -1.12,-0.92 0.42,0.8, body extent -0.85,-0.3 0.85,0.8, height 0.7
LED_DIALIGHT_551-1307F [mm] "Single 3mm Green LED, Body 6.35x4.32mm, Pin spacing 2.54mm"
  round 1.6 hole 0.9: 1(0,-1.27) 2(0,1.27)
  silkscreen extent -6.94,-2.16 1.95,2.16, body extent -6.94,-2.16 1.95,2.16, height 7.11
LED_KINGBRIGHT_KPH-1608CGCK [mm] "SMT Green LED, Case 0603, Body L 1.6 x W 0.8mm H 0.65mm"
  rect 0.8x0.8 smd: 1(-0.825,0) 2(0.825,0)
  silkscreen extent -1.83,-0.4 0.08,0.4, body extent -0.8,-0.4 0.8,0.4, height 0.65
MTG270_500 [mm] "Plated Through Hole: Hole Dia.=2.7mm Pad Dia.=5.0mm"
  round 5 hole 2.7: 1(0,0)
QFN50P700X700X100-49N-S420 [mm] "QFN, 0.50mm Pitch, Square; 48 Pin, 7.00mm L X 7.00mm W X 1mm H body (W/Thermal Tab 4.2mm X 4.2mm), IPC Medium Density"
  oval 0.9x0.3 smd: 1(-3.45,2.75) 2(-3.45,2.25) 3(-3.45,1.75) 4(-3.45,1.25) 5(-3.45,0.75) 6(-3.45,0.25) 7(-3.45,-0.25) 8(-3.45,-0.75) 9(-3.45,-1.25) 10(-3.45,-1.75) 11(-3.45,-2.25) 12(-3.45,-2.75) 25(3.45,-2.75) 26(3.45,-2.25) 27(3.45,-1.75) 28(3.45,-1.25) 29(3.45,-0.75) 30(3.45,-0.25) 31(3.45,0.25) 32(3.45,0.75) 33(3.45,1.25) 34(3.45,1.75) 35(3.45,2.25) 36(3.45,2.75)
  oval 0.3x0.9 smd: 13(-2.75,-3.45) 14(-2.25,-3.45) 15(-1.75,-3.45) 16(-1.25,-3.45) 17(-0.75,-3.45) 18(-0.25,-3.45) 19(0.25,-3.45) 20(0.75,-3.45) 21(1.25,-3.45) 22(1.75,-3.45) 23(2.25,-3.45) 24(2.75,-3.45) 37(2.75,3.45) 38(2.25,3.45) 39(1.75,3.45) 40(1.25,3.45) 41(0.75,3.45) 42(0.25,3.45) 43(-0.25,3.45) 44(-0.75,3.45) 45(-1.25,3.45) 46(-1.75,3.45) 47(-2.25,3.45) 48(-2.75,3.45)
  rect 4.2x4.2 smd: 49(0,0)
  silkscreen extent -4.63,-3.5 3.5,3.5, body extent -3.5,-3.5 3.5,3.5, height 1
RESC1005X40N [mm] "Chip Resistor, EIA 0402, Metric 1005, Body 1.0x0.5mm, IPC Medium Density"
  rect 0.58x0.62 smd: 1(-0.47,0) 2(0.47,0)
  body extent -0.52,-0.27 0.53,0.28, height 0.4
RESC1608X55N [mm] "Chip Resistor, EIA 0603, Metric 1608, Body 1.6x0.8mm, IPC Medium Density"
  rect 0.9x1 smd: 1(-0.8,0) 2(0.8,0)
  body extent -0.87,-0.47 0.88,0.48, height 0.55
RESC3225X70N [mm] "Chip Resistor, EIA 1210, Metric 3225, Body 3.2x2.5mm, IPC Medium Density"
  rect 1.15x2.7 smd: 1(-1.5,0) 2(1.5,0)
  silkscreen extent -0.55,-1.25 0.55,1.25, body extent -1.7,-1.35 1.7,1.35, height 0.7
SOIC127 [mm]
  rect 1.525x0.65 smd: 1(-2.712,1.905) 2(-2.712,0.635) 3(-2.712,-0.635) 4(-2.712,-1.905) 5(2.712,-1.905) 6(2.712,-0.635) 7(2.712,0.635) 8(2.712,1.905)
  silkscreen extent -3.47,-2.45 1.6,2.58, body extent -3,-2.45 3,2.45, height 1.75
SOIC127P600X175-8N [mm] "SOIC 8, Pitch 1.27mm - Body 4x5mm, IPC Medium Density"
  rect 1.55x0.6 smd: 1(-2.7,1.905) 2(-2.7,0.635) 3(-2.7,-0.635) 4(-2.7,-1.905) 5(2.7,-1.905) 6(2.7,-0.635) 7(2.7,0.635) 8(2.7,1.905)
  silkscreen extent -2.52,-2.5 1.55,2.88, body extent -3.1,-2.5 3.1,2.5, height 1.75
SOIC127P1030X265-16N [mm] "SOIC 16, Pitch 1.27mm - Body 7.5x10.3mm, IPC Medium Density"
  rect 2x0.6 smd: 1(-4.65,4.445) 2(-4.65,3.175) 3(-4.65,1.905) 4(-4.65,0.635) 5(-4.65,-0.635) 6(-4.65,-1.905) 7(-4.65,-3.175) 8(-4.65,-4.445) 9(4.65,-4.445) 10(4.65,-3.175) 11(4.65,-1.905) 12(4.65,-0.635) 13(4.65,0.635) 14(4.65,1.905) 15(4.65,3.175) 16(4.65,4.445)
  silkscreen extent -5.52,-5.15 3.32,5.37, body extent -5.18,-5.25 5.18,5.25, height 1.68
SOP50P810X120-48N [mm] "SOP, 48-Leads, Body 12.6x6.2mm (max), Pitch 0.50mm, IPC Medium Density"
  rect 1.45x0.3 smd: 1(-3.8,5.75) 2(-3.8,5.25) 3(-3.8,4.75) 4(-3.8,4.25) 5(-3.8,3.75) 6(-3.8,3.25) 7(-3.8,2.75) 8(-3.8,2.25) 9(-3.8,1.75) 10(-3.8,1.25) 11(-3.8,0.75) 12(-3.8,0.25) 13(-3.8,-0.25) 14(-3.8,-0.75) 15(-3.8,-1.25) 16(-3.8,-1.75) 17(-3.8,-2.25) 18(-3.8,-2.75) 19(-3.8,-3.25) 20(-3.8,-3.75) 21(-3.8,-4.25) 22(-3.8,-4.75) 23(-3.8,-5.25) 24(-3.8,-5.75) 25(3.8,-5.75) 26(3.8,-5.25) 27(3.8,-4.75) 28(3.8,-4.25) 29(3.8,-3.75) 30(3.8,-3.25) 31(3.8,-2.75) 32(3.8,-2.25) 33(3.8,-1.75) 34(3.8,-1.25) 35(3.8,-0.75) 36(3.8,-0.25) 37(3.8,0.25) 38(3.8,0.75) 39(3.8,1.25) 40(3.8,1.75) 41(3.8,2.25) 42(3.8,2.75) 43(3.8,3.25) 44(3.8,3.75) 45(3.8,4.25) 46(3.8,4.75) 47(3.8,5.25) 48(3.8,5.75)
  silkscreen extent -3.93,-6.3 2.7,6.57, body extent -4.06,-6.3 4.06,6.3, height 1.2
SOT95P240X110-3N [mm] "SOT23 3-Leads, Pitch 0.95mm, Body 1.3x2.9mm, IPC Medium Density"
  rect 1.05x0.65 smd: 1(-1.15,0.95) 2(-1.15,-0.95) 3(1.15,0)
  silkscreen extent -1.53,-1.45 0.3,1.92, body extent -1.25,-1.5 1.25,1.5, height 1.1
SOT95P280X145-5N [mm] "SOT, 0.95mm pitch; 5 pin, 1.60mm W X 2.90mm L X 1.45mm H body, IPC Medium Density"
  rect 1.1x0.6 smd: 1(-1.3,0.95) 2(-1.3,0) 3(-1.3,-0.95) 4(1.3,-0.95) 5(1.3,0.95)
  silkscreen extent -1.72,-1.45 0.43,1.88, body extent -1.4,-1.5 1.4,1.5, height 1.45
SOT190P230X110-4N [mm] "SOT143, SOT, 1.90mm Pitch; 4 Pin, 1.30mm W X 2.90mm L X 1.10mm H body, IPC Medium Density"
  rect 1x1 smd: 1(-1.15,0.75)
  rect 1x0.6 smd: 2(-1.15,-0.95) 3(1.15,-0.95) 4(1.15,0.95)
  silkscreen extent -1.52,-1.45 0.33,1.88, body extent -1.25,-1.5 1.25,1.5, height 1.1
SW_OMRON_A6S-4102-H [mm] "Pitch 2.54mm, Body 11.3x6.4mm, 4 Ways SPST Surface-Mounting DIP Switch, OMRON A6S-H"
  rect 1.5x1.1 smd: 1(-4.45,3.81) 2(-4.45,1.27) 3(-4.45,-1.27) 4(-4.45,-3.81) 5(4.45,-3.81) 6(4.45,-1.27) 7(4.45,1.27) 8(4.45,3.81)
  silkscreen extent -3.2,-5.65 3.2,5.65, body extent -4.9,-5.55 4.9,5.55, height 3.97